# Allegro board MB1167.brd (continued)
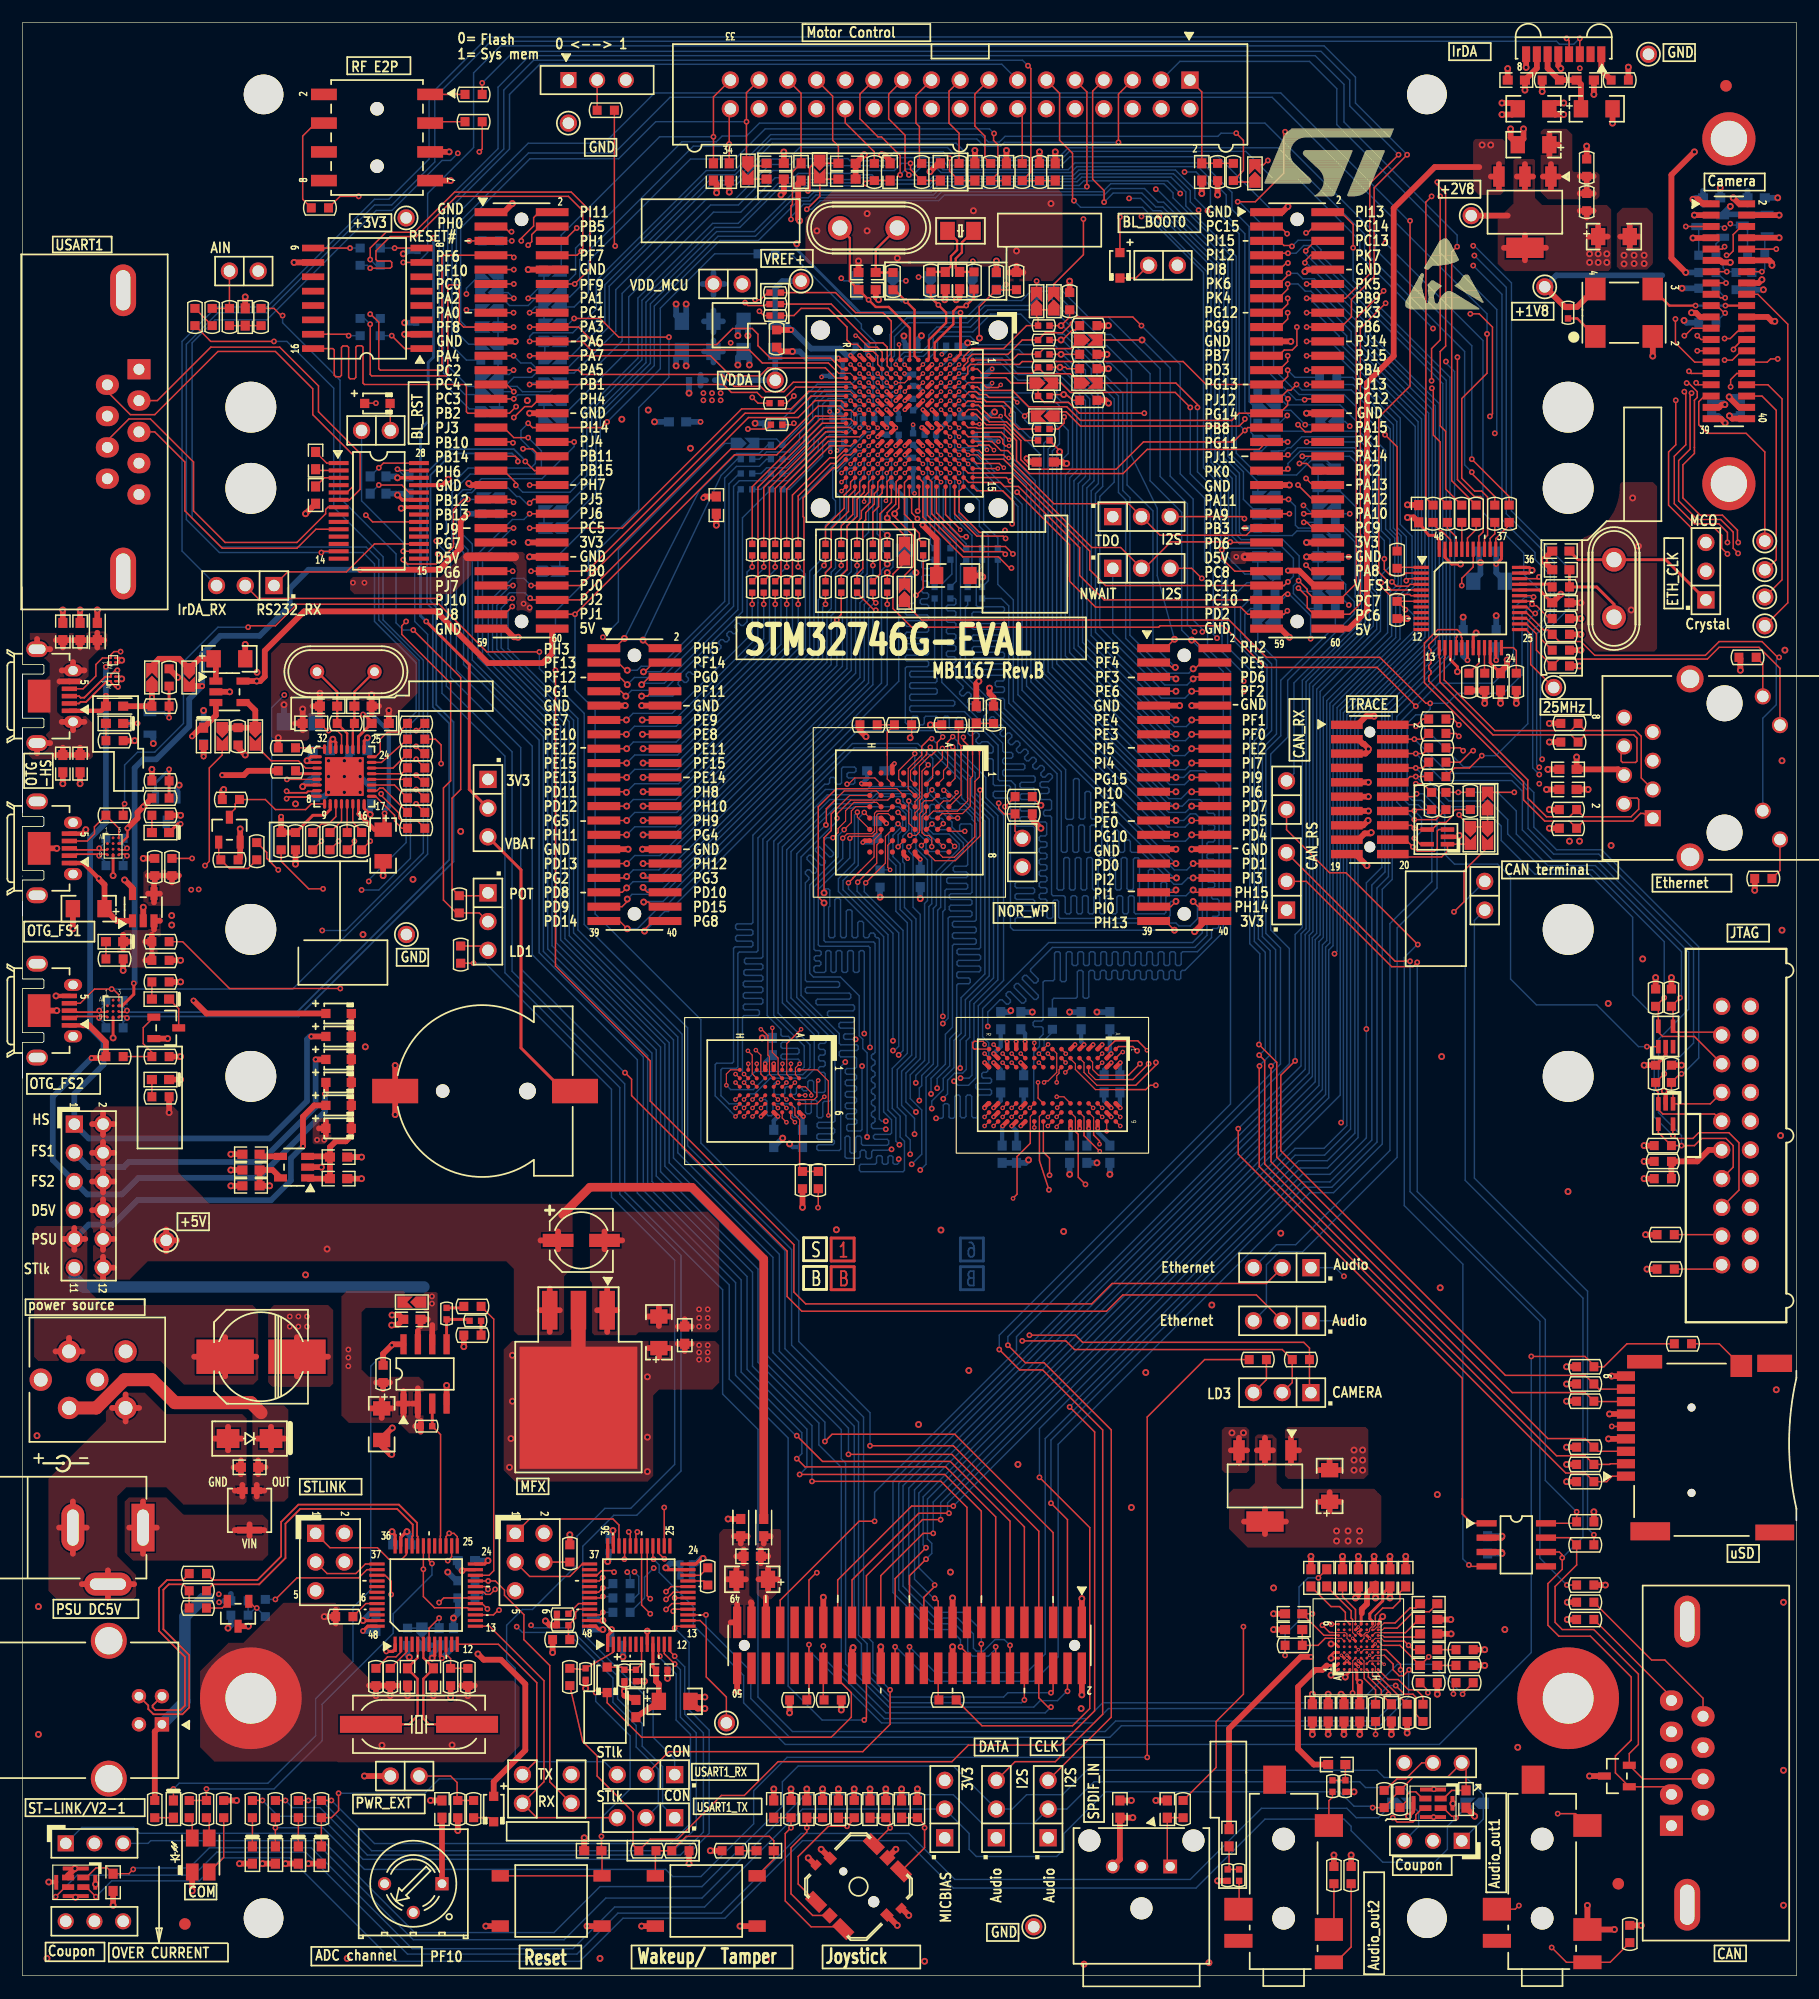
[diagram p0: board, top side]
## Routing (per net, layer and track width the routed paths; a pad name or vN(x,y) marks a point on that pad's centre or on a via; arc(x,y) is an arc through that point) (continued)
  TOP w1.27: U18.2 U18.4
  BOTTOM w0.381: v5(77.09,107.19) 76.45,106.55 C145.1 ; C157.1 88.52,77 v5(88.26,76.74) ; C163.1 92.67,73.49 v5(92.67,74.93) ; v5(88.64,82.6) 88.64,83.32 C152.1 ; C155.1 97.03,76.77 v5(97.06,76.74) ; v5(95.07,74.93) 95.07,74.6 96.14,73.53 C161.1 ; v5(65.66,80.64) 65.66,80.77 C154.1 ; C156.1 95.63,77.37 v5(96.26,76.74) ; C159.1 68.96,75.9 v5(69.04,75.98) ; C162.1 94.27,73.57 v5(94.27,74.93) ; v5(85.86,81.54) 86.49,82.17 C153.1 ; v5(87.46,75.14) 87.88,74.72 C164.1 ; v5(66.79,75.98) 66.42,75.61 C160.1 ; C148.1 76.17,102.11 v4(76.38,101.9) ; v5(85.86,76.74) 86.49,77.37 C158.1 ; v5(96.26,81.54) 96.14,81.66 C150.1 ; v5(86.66,75.14) 86.61,75.1 C165.1 ; C151.1 93.6,82.6 v5(93.86,82.34) ; v5(79.38,98.73) C149.1
  BOTTOM w0.508: C166.1 v3(130.81,37.34) ; v3(33.66,152.27) 33.78,152.27 34.04,152.53 R226.1 ; C168.2 51.82,36.7 v3(51.73,36.62) ; C127.1 v3(55.88,137.41) ; v3(24.77,105.16) 25.4,105.79 C146.1 ; C147.1 30.73,103.5 v3(30.73,102.69) ; R229.1 v3(147.07,150.62) ; C143.1 v3(30.48,109.47) ; C171.2 C170.1 59.57,36.45 60.02,36.9 v3(60.17,36.9) ; C144.1 27.18,109.09 v3(27.43,109.35) ; C173.2 v3(51.31,30.61) ; v3(33.15,132.47) 33.02,132.59 C135.1 ; R285.2 v3(75.82,95.38) ; v3(52.07,30.61) C176.2 ; C107.1 v3(33.78,145.16) ; R20.2 v3(86.11,151.64) ; v3(16,111.89) R282.2
  vias: v1(59.82,55.75) v1(59.82,55.12) v1(59.82,54.48) v1(60.58,55.75) v1(60.58,55.12) v1(60.58,54.48) v3(43.05,44.96) v3(43.18,47.5) v3(43.31,54.86) v3(43.31,50.8) v3(55.24,52.96) v3(55.24,47.62) v3(55.24,44.58) v3(106.93,48.01) v3(107.95,48.01)
+3V3_ST_LINK: length 22.8
  TOP w0.279: v1(37.08,28.07) 36.94,28.21 U21.9 ; v1(30.1,30.48) 30.52,30.9 U21.48 ; U21.36 32.94,38.95 32.66,39.22 v3(32.66,39.27) ; U21.24 40.85,36.41 v3(41.15,36.7) ; v1(32.16,28.68) 32.74,28.68 32.94,28.87 U21.1
  TOP w0.508: U16.5 22.11,71.25 C51.2 C53.1 v3(21.84,69.85) ; R203.2 v3(18.92,15.49) ; JP15.1 v3(30.23,17.65) ; T3.3 v3(19.96,30.9)
  BOTTOM w0.508: C169.2 v3(41.15,36.7) ; R297.2 34.04,28.32 v3(34.2,28.16) ; C172.2 v1(30.1,30.48) ; v3(37.59,35.69) 38.35,34.92 R289.1 ; C167.2 32.77,39.17 v3(32.66,39.27) ; v1(37.08,28.07) 38.1,29.08 C174.2
+5V: length 239.9
  TOP w0.508: 45.72,58.85 U18.3 ; U18.3 46.61,56.93 ; U18.3 46.61,60.77 ; U18.3 47.5,58.85 ; 6.15,75.31 JP13.2 ; JP13.2 7.11,76.28 ; JP13.2 7.11,74.35 ; JP13.2 8.08,75.31 ; U7.5 v3(20.7,114.49) 21.02,114.49 21.41,114.88 21.41,117.17 24.89,120.65 36.58,120.65 41.15,116.08 45.97,116.08 46.82,116.93 CN5.60 ; JP13.12 8.08,62.61 ; JP13.12 7.11,61.65 ; JP13.12 7.11,63.58 ; C54.1 47.35,65.81 ; C54.1 45.79,65.02 ; C54.1 47.35,64.24 ; R142.2 v3(12.95,76.33) ; 7.11,65.15 8.08,65.15 ; 7.11,65.15 7.11,64.19 ; 7.11,65.15 7.11,66.12 ; 7.11,71.81 JP13.4 ; JP13.4 7.11,73.74 ; JP13.4 8.08,72.77 ; JP13.4 6.15,72.77 ; U11.5 9.72,96.2 v3(9.02,96.9) ; TP14.1 12.7,65.99 ; TP14.1 11.73,65.02 ; TP14.1 13.67,65.02 ; TP14.1 12.7,64.06 ; 130.54,158 U2.3 ; U2.3 130.54,160.21 ; U2.3 129.83,159.11 ; 128.8,159.94 124.87,159.94 121.23,156.31 121.23,143.23 118.87,140.87 118.87,120.73 117.27,119.13 CN6.60 ; JP13.8 8.08,67.69 ; JP13.8 7.11,66.73 ; JP13.8 6.15,67.69 ; JP13.8 7.11,68.66 ; D15.1 41.66,17.14 44.45,19.94 44.45,25.78 42.29,27.94 40.77,27.94 v3(40.26,28.45) ; 6.15,70.23 JP13.6 ; JP13.6 7.11,71.2 ; JP13.6 8.08,70.23 ; JP13.6 7.11,69.27
  TOP w0.762: L5.1 65.53,63.37 59.18,69.72 50.16,69.72 47.75,67.31
  L4_SIG w0.508: 6.15,72.77 JP13.4 ; JP13.4 8.08,72.77 ; JP13.4 7.11,73.74 ; JP13.4 7.11,71.81 ; 6.15,75.31 JP13.2 ; JP13.2 7.11,74.35 ; JP13.2 7.11,76.28 ; JP13.2 8.08,75.31 ; 71.78,167.64 CN1.25 ; CN1.25 73.71,167.64 ; CN1.25 72.74,168.61 ; v3(26.92,64.26) 27.05,64.14 27.08,64.14 29.97,61.24 29.97,35.26 34.9,30.33 38.38,30.33 v3(40.26,28.45)
  vias: v3(13.18,93.75) v3(13.18,92.91) v3(20.73,115.27) v3(129.06,161.9) v3(129.82,161.9)
D5V: length 22.1
  TOP w0.508: v1(15.11,86.23) 16.26,85.09 D7.1
  TOP w0.762: 39.34,125.48 CN5.49 43.51,125.48 ; CN6.49 v1(108.08,125.48)
  L4_SIG w0.508: 3.61,67.69 JP13.7 ; JP13.7 5.54,67.69 ; JP13.7 4.57,68.66 ; JP13.7 4.57,66.73
  vias: v1(14.91,96.04) v1(15.57,96.06) v1(29.21,123.19) v1(30.23,123.19) v1(44.3,121.34) v1(44.83,120.98) v1(107.31,125.48)
GND: length 656.5
  TOP w0.203: D4.B2 8.56,114.88 v3(8.76,114.68) 8.56,114.48 D4.B1 ; D3.B2 8.56,116.53 v3(8.76,116.33) 8.56,116.13 D3.B1
  TOP w0.229: U23.E8 v2(118.11,30.33) 118.36,30.08 U23.E7 ; v2(119.61,29.33) 119.61,29.33 119.36,29.09 U23.G5 ; v3(115.7,26.58) 115.82,26.58 116.33,27.08 U23.A1 ; v2(119.11,29.83) U23.F7 ; U23.E2 118.36,27.58 v2(118.11,27.83) ; U23.C1 117.36,26.88 116.96,26.48 v3(116.96,26.41) ; U23.A4 115.96,28.58 115.7,28.32 v3(115.7,28.08) 115.7,28.08 U23.A3 ; U23.A5 116.11,29.34 v3(115.7,29.34) ; U23.D6 v2(117.61,29.83)
  TOP w0.254: U6.19 128.27,118.49 v3(128.52,118.75) ; U8.1 25.5,107.8 v3(25.15,107.44) 25.29,107.29 U8.2 ; U6.35 133.24,124.04 v3(133.48,124.28) 133.22,124.54 U6.36 ; v3(8,97.28) D5.D2 ; v3(126.87,115.32) 126.87,115.75 126.27,116.36 U6.15 ; U23.H9 120.02,31.24 120.02,31.5 120.26,31.74 v3(120.26,31.76) ; U6.47 125.77,125.44 126.36,124.84 v3(127.15,124.84) ; D6.D2 v3(8,82.93)
  TOP w0.279: v3(36.21,28.08) 36.44,28.31 U21.8 ; U21.35 33.44,38.77 33.91,39.24 33.96,39.24 v3(33.99,39.27) ; U22.8 v3(55.23,30.47) ; U22.35 52.23,39.33 v3(52.2,39.37) ; U21.23 38.95,35.9 v3(38.86,35.81) ; v3(56.87,36.07) 57.03,35.9 U22.23 ; U22.47 v3(51.31,31.41) ; U21.47 v3(30.1,31.41)
  TOP w0.305: U12.2 145.29,81.41 R140.1 ; U5.23 33.57,130.52 v3(33.15,130.94) ; U24.5 122.96,14.5 v3(122.56,14.1)
  TOP w0.356: U5.25 37.12,131.82 v3(37.64,132.33)
  TOP w0.381: U4.H6 v5(78.01,138.49) ; U4.K7 v5(76.41,138.49) ; U4.M1 v5(74.81,143.29) ; v5(78.26,98.78) 77.91,99.13 U9.E8 ; U25.5 v3(2.31,8.28) ; v5(76.41,139.29) U4.K6 ; U4.J6 77.2,138.48 v5(77.19,138.48) ; U15.2 145.29,78.11 v3(145.16,78.23) ; v5(79.61,139.29) U4.G6 ; U4.F10 v5(80.41,135.29) ; U4.K8 76.82,137.29 v5(77.22,136.89) U4.K9 ; v5(79.61,138.49) U4.F7 ; U4.J10 77.61,135.69 v5(77.21,135.29) ; U4.F6 v5(80.41,139.29) ; U10.2 126.92,100.71 v3(127.05,100.84) ; U13.A3 v5(97.06,80.74) ; v5(80.41,142.49) U4.F2 ; U13.E9 93.46,74.94 v5(93.47,74.93) ; v5(79.5,136.91) 79.59,136.91 U4.F9 ; U13.B8 v5(96.26,75.94) ; v5(74.01,143.29) U4.N1 ; U14.D1 v5(66.41,80.64) ; U4.K10 v5(76.41,135.29) ; U13.C1 v5(95.46,82.34) ; U13.M1 87.86,82.58 v5(87.84,82.6) ; U4.F8 v5(80.41,136.89) ; U13.R3 v5(85.06,80.74) ; U13.B3 v5(96.26,80.74) ; v5(79.61,135.29) U4.G10 ; U4.H10 v5(78.01,135.29) ; U9.H7 74.45,100.37 v5(74.3,100.22) ; U13.P3 v5(85.86,80.74) ; U13.L3 v5(88.26,80.74) ; U14.E6 v5(65.29,75.98) ; v5(87.04,82.6) 87.06,82.58 U13.N1 ; v5(74.17,105.42) 74.22,105.37 U9.H2 ; CN13.5 5.24,100.99 v3(5.59,101.35) ; U4.L6 v5(75.61,139.29) ; U13.P8 v5(85.86,75.94) ; U13.L9 v5(88.26,75.14) ; CN14.5 v3(2.95,86.64) ; U13.F1 v5(93.06,82.34) ; U13.D1 v5(94.66,82.34)
  TOP w0.508: CN6.50 v3(113.53,125.48) ; C47.2 v3(31.88,97.28) ; 24.77,110.13 C41.2 ; C41.2 v3(24.77,112.01) ; C41.2 24.12,110.74 ; CN6.39 v3(112.01,131.83) ; CN4.37 150.02,138.69 150.27,138.94 v3(150.52,138.94) ; CN11.30 v3(103.38,99.62) ; U11.2 v3(10.67,94.49) ; v3(111.89,156.46) 111.38,155.96 CN6.1 ; U16.2 v3(26.42,71.5) ; 112.15,45.35 U19.1 ; U19.1 112.87,46.46 ; U19.1 112.15,47.56 ; U25.2 4.02,8.88 v3(4.62,9.47) ; 141.27,153.8 C19.2 ; C19.2 142.11,154.76 ; C19.2 142.11,152.83 ; C19.2 142.95,153.8 ; C18.1 C7.1 v3(74.42,161.04) ; C16.1 v3(104.27,157.61) ; C38.2 v3(26.29,113.41) ; C38.2 25.64,112.27 ; C38.2 26.29,111.66 ; R21.2 87.88,151.22 ; R21.2 87.27,150.62 ; R21.2 88.49,150.62 ; C58.2 24.26,56.46 ; C58.2 27,54.74 ; C58.2 24.26,53.01 ; C73.2 v3(126.29,31.5) ; v3(119.25,101.09) 119.18,101.02 118.67,101.02 118.11,100.46 CN12.17 ; CN6.10 113.56,150.88 v3(113.39,150.7) ; C35.2 v3(5.08,120.78) ; v3(151,151.51) 150.3,151.51 150.11,151.69 CN4.11 ; C42.2 v3(32.38,111.89) ; R149.1 v3(143.64,62.48) ; CN16.9 v3(140.52,53.02) ; C61.2 116.54,44.7 ; C61.2 114.6,44.7 ; C61.2 115.57,45.54 ; v3(131.57,163.32) 131.57,162.56 C5.2 132.72,162.43 v3(132.72,163.32) ; C8.1 61.37,158.47 v3(61.37,157.67) ; R163.2 v3(138.94,41.02) ; C57.2 58.55,58.05 ; C57.2 59.16,57.4 ; C57.2 57.94,57.4 ; C1.2 v3(131.32,168.66) ; C17.2 67.31,157.73 v3(67.06,157.48) ; CN20.2 v3(93.66,24.83) ; C15.2 v3(91.31,161.29) ; v3(46.23,31.37) 46.61,30.99 R175.2 R172.2 ; C23.2 75.44,148.46 v3(75.69,148.21) ; R148.1 v3(143.51,65.53) ; R38.1 v3(96.01,142.11) ; CN4.38 151.78,138.69 150.9,139.57 v3(150.9,139.62) ; C45.1 v3(134.87,106.68) ; C72.1 v3(110.62,32) ; CN4.16 153.5,149.69 v3(153.8,149.99) ; C31.1 134.54,125.04 v3(134.54,125.17) 134.54,125.27 C30.2 ; C39.2 v3(30.86,113.28) ; C39.2 30.86,111.66 ; C39.2 31.51,112.27 ; C43.2 v3(3.56,105.41) ; B3.7 v3(70.61,11.18) ; R173.1 v3(26.67,31.75) ; R173.1 27.69,31.14 ; R173.1 27.69,32.36 ; CN10.30 v3(54.81,99.62) ; U3.10 v3(24,151.51) ; v3(130.81,164.59) 131.7,164.59 C3.2 131.7,165.61 v3(130.81,165.61) ; v3(69.47,10.41) 70.1,9.78 B3.9 ; C36.2 v3(19.68,117.73) ; R223.1 v3(143.13,4.45) ; v3(140.76,4.08) CN26.3 v3(138.37,6.21) ; v3(60.33,24.64) 59.44,24.64 C82.2 59.69,23.62 v3(60.33,23.62) ; CN5.59 42.67,119.13 43.43,118.36 v3(43.81,118.36) ; R184.1 31.85,25.65 ; R184.1 30.63,25.65 ; R184.1 v3(31.24,24.77) ; C2.2 v3(138.94,166.37) ; v3(17.78,104.9) 17.65,104.78 R110.1 ; 50.8,58.85 U18.1 ; U18.1 52.58,58.85 ; U18.1 51.69,56.93 ; U18.1 51.69,60.77 ; C78.1 v3(57.02,26.29) ; C90.2 v3(36.07,15.49) ; v3(84.9,123.7) 84.77,123.83 C32.2 ; 51.45,64.24 C54.2 ; C54.2 51.45,65.81 ; C54.2 53.02,65.02 ; R208.2 v3(38.48,12.83) ; C14.1 v3(87,161.42) ; C93.1 v3(72.14,16.51) ; R12.2 v3(89.92,161.29) ; C79.1 v3(54.99,26.04) ; 38.76,25.65 R187.1 ; R187.1 v3(39.37,24.77) ; R187.1 39.98,25.65 ; C67.2 v3(119.51,37.08) ; CN11.9 v3(102.31,112.32) ; R178.2 v3(129.29,28.83) ; 31.9,25.65 R185.1 ; R185.1 v3(32.51,24.77) ; R185.1 33.12,25.65 ; C56.2 57.23,58.29 ; C56.2 56.26,57.45 ; C56.2 55.3,58.29 ; C56.2 56.26,59.13 ; CN20.30 v3(75.88,29.08) ; v3(122.45,130.07) 123.42,130.07 C29.2 ; R36.1 v3(95.89,143.38) ; CN13.10 v3(3.02,99.69) ; C4.2 v3(140.59,163.83) ; C50.1 v3(29.97,72.39) ; CN6.59 111.23,119.13 111.99,118.36 v3(112.01,118.36) ; C13.1 v3(84.2,161.42) ; CN11.29 v3(101.98,99.62) ; CN4.21 148.33,146.69 147.96,147.06 147.67,147.06 147.66,147.07 v3(147.57,147.07) ; CN10.29 v3(53.54,99.62) ; D14.3 v3(138.56,17.65) ; C12.1 80.98,160.27 v3(80.24,159.54) ; R129.1 v3(10.67,98.81) ; R222.2 v3(117.47,10.67) ; v3(78.36,5.33) 77.73,5.96 B3.10 ; R197.2 v3(117.73,16.26) ; CN5.50 v3(44.83,125.48) ; C87.2 v3(121.03,21.34) ; C92.1 v3(69.34,16.51) ; R32.1 v3(96.01,145.92) ; CN12.19 117.86,99.19 v3(118.87,98.17) ; v3(68.71,155.19) 68.58,155.32 68.58,158.5 C10.1 ; R98.1 v3(22.61,109.47) ; v3(143.38,80.52) R140.1 ; R181.1 v3(49.78,25.4) ; R153.1 v3(39.01,55.63) ; CN4.22 154.3,146.69 154.69,146.3 v3(154.94,146.3) ; CN5.10 v3(44.7,150.88) ; R40.1 95.77,139.32 v3(96.02,139.06) ; C9.1 v3(62.48,157.73) ; CN10.9 v3(53.29,112.32) ; C69.2 v3(122.3,37.08) ; B1.1 v3(40.96,4.38) ; C74.1 v3(110.62,30.61) ; CN12.15 118.54,101.73 v3(118.97,102.16) ; C63.1 v3(113.92,37.08) ; v3(154.69,151.26) 154.69,151.46 154.45,151.69 CN4.12 ; CN12.3 118.11,109.35 118.52,108.94 118.59,108.94 119,108.53 v3(119,108.48) 119,108.33 118.75,108.08 CN12.5 ; U1.5 135.8,168.9 136.02,168.68 v3(136.02,168.66) ; R145.1 v3(143.38,70.48) ; C94.1 v3(74.93,16.51) ; C33.1 v3(137.79,121.41) ; C68.2 v3(120.9,37.08) ; C65.2 v3(116.71,37.08) ; CN12.11 v3(119,104.27) ; B3.5 v3(77.22,11.18) ; L1.1 v3(6.6,120.78) ; U1.8 v3(132.95,168.76) ; C20.2 v3(73.91,151.64) ; C37.1 v3(130.68,112.52) ; CN5.1 42.55,155.96 v3(43.31,156.72) ; C24.1 v3(19.68,148.46) ; B1.4 v3(49.91,4.38) ; v3(155.32,155.69) CN4.4 ; C95.1 v3(77.72,16.51) ; C52.1 v3(29.97,70.48) ; CN20.19 v3(82.23,33.4) ; C99.1 v3(49.66,12.19) ; v3(32.64,46.1) 32.51,46.1 31.75,46.86 C59.2 31.75,47.52 32.66,48.44 v3(32.69,48.44) ; CN20.20 v3(82.23,29.08) ; CN4.7 149.28,153.67 v3(147.7,153.67) ; C22.2 82.85,148.51 v3(82.55,148.21) ; C75.2 v3(126.31,30.23) ; v3(73.43,29.01) 73.43,28.85 73.34,28.77 CN20.34 ; C97.2 v3(100.2,15.49) ; v3(84.56,114.48) 84.33,114.25 C40.2 ; R105.1 v3(11.43,106.68) ; B3.8 v3(77.34,4.45) ; CN20.37 v3(70.8,33.46) ; C81.2 v3(36.32,24.77) ; R179.2 v3(129.29,27.43) ; C53.2 v3(18.41,69.85) ; CN6.30 v3(113.53,138.18) ; L4.1 v3(62.38,40.39) ; C44.2 v3(5.08,105.41) ; LD10.2 v3(13.97,79.25) ; CN5.39 39.59,131.83 v3(39.45,131.97) ; v3(32.66,58.42) 33.27,58.42 C55.1 33.15,57.53 v3(32.64,57.53) ; CN6.19 v3(112.14,144.53) ; R23.1 v3(92.58,149.86) ; v3(130.81,38.86) 130.81,38.76 130.78,38.73 U20.2 ; C6.1 v3(67.31,161.28) ; C85.2 v3(116.84,21.34) ; U7.2 v3(18.31,113.54) ; R83.1 v3(132.08,112.52) ; v3(32.94,76.15) BT1.2 v3(32.94,80.49) ; v3(75.96,161.04) 76.2,161.04 76.71,160.53 C11.2 ; CN14.10 v3(3.02,85.34) ; C34.2 v3(3.56,120.78) ; CN4.3 v3(147.83,155.69) ; C101.2 v3(8,6.22) ; U17.4 v3(37.49,52.2) ; R94.1 19.05,108.58 v3(19.68,107.95) ; R217.2 v3(58.93,9.91) ; C91.1 v3(66.42,16.51) ; CN12.9 v3(119,105.54) ; C46.1 v3(134.75,104.9) ; C27.1 v3(25.02,129.29) ; v3(155.32,153.69) CN4.8 ; C49.1 v3(18.41,72.64) ; C48.2 v3(4.45,92.58) ; LD12.1 v3(15,7.5) ; C80.2 v3(34.04,24.77) ; C51.1 v3(18.41,71.25) ; C83.2 v3(114.05,21.34) ; CN12.13 v3(119,103) ; R6.2 v3(138.3,161.8) ; CN5.19 v3(43.56,144.53) ; CN16.6 v3(140.32,49.67) ; R80.1 v3(13.72,114.81) ; X3.2 v3(144.15,143.23) ; C96.1 v3(98.04,15.49) ; R221.2 v3(115.95,10.67) ; R174.1 v3(136.59,31.5) ; v3(81.53,148.21) 81.58,148.26 C21.2 ; CN10.10 v3(54.74,112.32) ; C84.2 v3(115.44,21.35) ; C89.2 v3(128.4,14.1) ; R219.1 v3(105.66,8.38) ; CN11.10 v3(103.38,112.32) ; C86.2 v3(118.24,21.34) ; R139.1 v3(13.97,81.28) ; CN20.1 v3(93.66,33.34) ; CN2.7 v3(37.85,158.75) ; CN5.30 v3(44.83,138.18) ; T2.2 v3(12.83,82.87) ; C66.2 v3(118.11,37.08)
  L4_SIG w0.508: L3.5 2.8,52.7 ; L3.5 1.6,53.9 ; L3.5 1.6,51.51 ; 9.1,54.01 L3.6 ; L3.6 10.3,55.21 ; L3.6 7.91,55.21 ; L3.6 9.1,56.4 ; L3.4 6.6,53.9 ; L3.4 5.41,52.7 ; L3.4 6.6,51.51 ; L3.4 7.8,52.7 ; CN15.6 152.78,81.61 ; CN15.6 151.82,80.64 ; CN15.6 152.78,79.68 ; CN15.6 153.75,80.64 ; CN15.12 152.78,73.99 ; CN15.12 151.82,73.03 ; CN15.12 152.78,72.06 ; CN15.12 153.75,73.03 ; 144.58,18.8 CN22.3 ; CN22.3 145.8,17.7 ; CN22.3 145.8,19.89 ; CN22.3 147.02,18.8 ; JP16.1 49.48,17.78 ; JP16.1 47.55,17.78 ; JP16.1 48.51,16.81 ; JP16.1 48.51,18.75 ; 148.59,13.54 CN22.6 ; CN22.6 148.59,15.72 ; CN22.6 147.37,14.63 ; CN22.6 149.81,14.63 ; 88.44,4.32 TP16.1 ; TP16.1 89.41,3.35 ; TP16.1 90.37,4.32 ; TP16.1 89.41,5.28 ; 2.44,89.49 CN14.8 1.28,90.4 ; 151.82,75.56 CN15.10 ; CN15.10 152.78,74.6 ; CN15.10 152.78,76.53 ; CN15.10 153.75,75.56 ; 9.45,22.23 CN21.4 ; CN21.4 10.29,23.06 ; CN21.4 11.13,22.23 ; CN21.4 10.29,21.39 ; 7.62,27.83 CN21.5 ; CN21.5 5.83,29.62 ; CN21.5 9.41,29.62 ; CN21.5 7.62,31.41 ; CN15.8 152.78,79.07 ; CN15.8 152.78,77.14 ; CN15.8 153.75,78.11 ; CN15.8 151.82,78.11 ; 147.44,97.53 CN9.14 ; CN9.14 146.05,98.93 ; CN9.14 147.44,100.33 ; CN9.14 148.84,98.93 ; 141.6,111.25 142.52,111.25 ; 141.6,111.25 141.6,110.34 ; 141.6,111.25 140.69,111.25 ; 141.6,111.25 141.6,112.17 ; CN14.6 4.46,83.81 ; CN14.6 4.46,82.33 ; CN14.6 3.46,83.07 ; 2.44,95.54 CN13.9 1.28,94.64 ; 32,7.34 RV1.3 ; RV1.3 31.22,8.13 ; RV1.3 32,8.92 ; RV1.3 32.79,8.13 ; CN28.2 98.93,10.47 ; CN28.2 98.93,8.84 ; CN28.2 99.75,9.65 ; CN28.2 98.12,9.65 ; CN15.16 153.75,67.94 ; CN15.16 152.78,68.91 ; CN15.16 151.82,67.94 ; CN15.16 152.78,66.98 ; 1.28,80.29 CN14.9 2.44,81.19 ; 151.82,62.87 CN15.20 ; CN15.20 152.78,61.9 ; CN15.20 152.78,63.83 ; CN15.20 153.75,62.87 ; 7.62,15.63 CN21.6 ; CN21.6 5.83,17.42 ; CN21.6 9.41,17.42 ; CN21.6 7.62,19.22 ; 45.14,39.12 CN19.2 ; CN19.2 47.07,39.12 ; CN19.2 46.1,40.08 ; CN19.2 46.1,38.15 ; CN13.6 4.46,98.16 ; CN13.6 5.46,97.42 ; CN13.6 4.46,96.68 ; CN13.6 3.46,97.42 ; 3.46,87.62 CN14.7 ; CN14.7 4.46,88.36 ; CN14.7 4.46,86.88 ; CN27.5 6.35,5.72 ; CN27.5 6.35,3.89 ; CN27.5 5.44,4.81 ; CN27.5 7.26,4.81 ; TP13.1 34.9,92.08 ; TP13.1 33.93,91.11 ; TP13.1 33.93,93.04 ; TP13.1 32.97,92.08 ; 4.46,101.23 CN13.7 ; CN13.7 4.46,102.71 ; CN13.7 5.46,101.97 ; CN13.7 3.46,101.97 ; 145.85,31.32 CN22.10 ; CN22.10 147.19,28.83 ; CN22.10 147.19,33.81 ; CN22.10 148.54,31.32 ; CN24.2 124.71,12.84 ; CN24.2 123.8,11.92 ; CN24.2 124.71,11.01 ; CN24.2 125.63,11.92 ; 6.35,10.78 CN27.2 ; CN27.2 7.26,11.7 ; CN27.2 5.44,11.7 ; CN27.2 6.35,12.61 ; 152.78,64.44 CN15.18 ; CN15.18 153.75,65.41 ; CN15.18 151.82,65.41 ; CN15.18 152.78,66.37 ; CN22.11 148.54,6.27 ; CN22.11 145.85,6.27 ; CN22.11 147.19,3.78 ; CN22.11 147.19,8.76 ; CN18.2 28.45,40.08 ; CN18.2 27.48,39.12 ; CN18.2 28.45,38.15 ; 152.78,69.52 CN15.14 ; CN15.14 152.78,71.45 ; CN15.14 151.82,70.48 ; CN15.14 153.75,70.48 ; 1.28,104.75 CN13.8 2.44,103.85 ; 151.82,83.19 CN15.4 ; CN15.4 153.75,83.19 ; CN15.4 152.78,82.22 ; CN15.4 152.78,84.15 ; 147.44,113.28 CN9.13 ; CN9.13 146.05,114.68 ; CN9.13 148.84,114.68
  BOTTOM w0.102: 85.09,141.48 C116.2
  BOTTOM w0.381: 78.74,141.6 78.05,141.6 v5(77.98,141.68) ; v5(79.61,138.49) 79.76,138.34 C123.2 ; 84.2,136.14 84.2,136 v5(85.27,134.93) ; 78.74,133.22 78.74,131.22 v5(78.87,131.09) ; v5(74.3,100.22) 75.2,100.22 C148.2 ; v5(79.5,136.91) 79.76,136.65 C128.2 ; C124.2 77.47,138.2 v5(77.19,138.48) ; C131.2 v5(78.74,137.16) ; C159.2 68.1,73.28 v3(67.82,73.56) ; v5(79.61,139.29) 78.75,138.43 C118.2 ; C155.2 97.03,80.71 v5(97.06,80.74) ; C117.2 71.37,138.73 v5(71.37,138.33) 71.37,138.3 71.62,138.05 C126.2 ; v5(74.17,105.42) 74.22,105.42 74.68,105.88 C145.2 ; C129.2 77.47,135.55 v5(77.21,135.29) ; 84.2,137.79 C122.2 82.93,138.37 v5(82.81,138.49) ; v5(96.26,80.74) 95.63,80.11 C156.2 ; C158.2 86.49,80.11 v5(85.86,80.74) ; v5(74.81,143.29) 74.68,143.42 C110.1 ; v5(71.43,134.75) 71.43,135.43 C132.2 ; C157.2 88.52,80.48 v5(88.26,80.74) ; C125.2 74.3,137.17 v5(74.01,136.89) ; C113.1 70.74,141.48 v5(70.64,141.38)
  BOTTOM w0.508: C140.2 v3(130.3,120.27) ; C120.2 149.71,139.09 150.37,139.09 v3(150.52,138.94) ; v3(11.56,108.97) 11.56,109.5 T6.2 ; v3(52.2,39.37) 51.82,38.99 C168.1 ; v3(87.38,85.34) 87.25,85.22 C153.2 ; C138.2 77.98,123.19 78.87,124.08 v3(78.99,124.08) ; v3(58.67,147.83) 58.67,146.69 C106.2 57.78,146.81 v3(57.78,147.83) ; C137.1 128.78,125.09 v3(128.91,124.97) 128.91,123.95 C139.2 ; C161.2 v3(96.14,70.87) ; C151.2 v3(92.58,85.22) ; C144.2 25.65,107.95 v3(25.15,107.44) ; 50.16,31.62 50.8,31.62 51.02,31.41 v3(51.31,31.41) ; C152.2 v3(89.28,85.22) ; v3(28.45,107.44) 28.96,107.95 C143.2 ; v3(67.21,74.07) C160.2 ; v3(63.25,145.03) 63.25,145.8 C105.2 64.14,145.92 v3(64.14,145.03) ; C150.2 v3(95,85.22) ; v3(29.84,106.05) 30.73,105.16 C147.2 ; v3(56.87,36.07) 57.25,36.45 C170.2 C171.1 ; C169.1 38.48,36.2 v3(38.86,35.81) ; C165.2 C164.2 88.7,71.88 v3(88.95,72.14) ; v3(58.67,142.37) 58.67,143.26 C112.2 57.78,143.13 v3(57.78,142.37) ; v3(33.99,39.27) 34.04,39.22 34.04,39.12 34.29,38.86 C167.1 ; C163.2 v3(92.58,70.87) ; C146.2 26.67,104.27 v3(27.05,104.65) ; R249.1 65.66,137.29 v3(64.77,137.29) ; v3(63.25,142.44) 63.25,143.13 C111.2 64.26,143.13 v3(64.26,142.44) ; C103.1 v3(150.11,158.12) ; v3(18.16,30.73) 18.41,30.99 R296.1 ; C174.1 v3(38.1,31.62) 38.48,32 R292.1 ; v3(79.48,145.03) 79.5,145.03 79.12,144.65 C109.2 ; v3(150.9,139.62) 151.71,139.62 C119.2 ; v5(85.72,142.09) 85.36,141.73 85.34,141.73 85.09,141.48 ; C154.2 v3(65.41,82.93) ; C172.1 30.7,32 v3(30.1,31.41) ; C162.2 v3(95,71.88) ; T7.2 13.65,105.09 v3(13.84,105.28) ; C115.2 v3(58.93,139.95) ; C134.1 33.27,131.06 v3(33.15,130.94) 33.02,131.06 C135.2 ; 34.8,146.18 v3(33.78,146.18) ; C142.2 v3(23.11,112.39) ; SB64.1 C175.1 36.83,29.08 36.21,28.46 v3(36.21,28.08) ; C176.1 v3(53.09,28.19) ; C149.2 v3(79.38,95.25) ; C102.2 v3(155.19,157.23) ; v3(83.57,144.4) 83.31,144.15 C108.2 ; C166.2 v3(130.81,38.86) ; C141.1 v3(127.38,120.14)
  vias: v1(23.62,58.29) v1(23.62,57.4) v1(24.38,58.29) v1(24.38,57.4) v1(25.15,58.29) v1(25.15,57.4) v1(59.82,58.93) v1(59.82,58.17) v1(59.82,57.4) v1(60.58,58.93) v1(60.58,58.17) v1(60.58,57.4) v1(124.79,16.48) v1(124.76,14.02) v1(134.11,105.41) v3(1.27,47.75) v3(1.4,32.64) v3(1.4,21.34) v3(2.16,1.52) v3(4.67,6.93) v3(6.45,8.08) v3(24.13,103.63) v3(25.02,61.98) v3(27.05,107.44) v3(27.05,106.05) v3(28.45,106.05) v3(28.45,104.65) v3(28.7,1.52) v3(29.84,107.44) v3(29.84,104.65) v3(30.1,92.08) v3(30.3,82.14) v3(31.78,20.37) v3(34.52,96.95) v3(37.97,20.4) v3(38.73,101.19) v3(44.63,139.29) v3(51.05,1.52) v3(52.98,137.64) v3(55.32,138.46) v3(59.05,135.08) v3(65.79,1.4) v3(70.23,154.31) v3(71.96,65.96) v3(74.68,155.83) v3(74.68,154.31) v3(77.34,151.89) v3(79.22,48.74) v3(79.76,1.27) v3(81.2,65.94) v3(82.04,35.69) v3(83.67,53.52) v3(84.07,156.08) v3(87.88,152.53) v3(88.01,45.21) v3(90.93,156.72) v3(92.05,65.81) v3(93.6,23.62) v3(93.85,1.02) v3(98.04,41.4) v3(99.31,53.34) v3(104.9,1.14) v3(105.16,59.31) v3(110.62,34.29) v3(111.25,65.66) v3(117.73,46.48) v3(117.73,45.59) v3(117.73,44.7) v3(118.49,46.48) v3(118.49,45.59) v3(118.49,44.7) v3(125.09,42.55) v3(125.35,60.83) v3(125.48,81.28) v3(126.47,15.21) v3(131.06,30.61) v3(132.21,20.19) v3(136.65,69.34) v3(140.21,85.98) v3(140.46,99.95) v3(141.6,152.15) v3(141.6,151.38) v3(142.24,120.78) v3(142.37,130.68) v3(142.49,152.15) v3(142.49,151.41) v3(142.88,126.42) v3(143.26,89.92) v3(143.38,152.15) v3(143.38,151.41) v3(155.07,51.82) v3(155.45,74.3) v3(155.57,107.44) v3(155.57,92.46) v3(155.7,33.02) v3(155.7,18.16) v3(155.7,6.22) v3(155.83,117.22)
